# KiCad board CoquiKeyboard-snapshot-21-9-2021.kicad_pcb
title: Coqui Keyboard
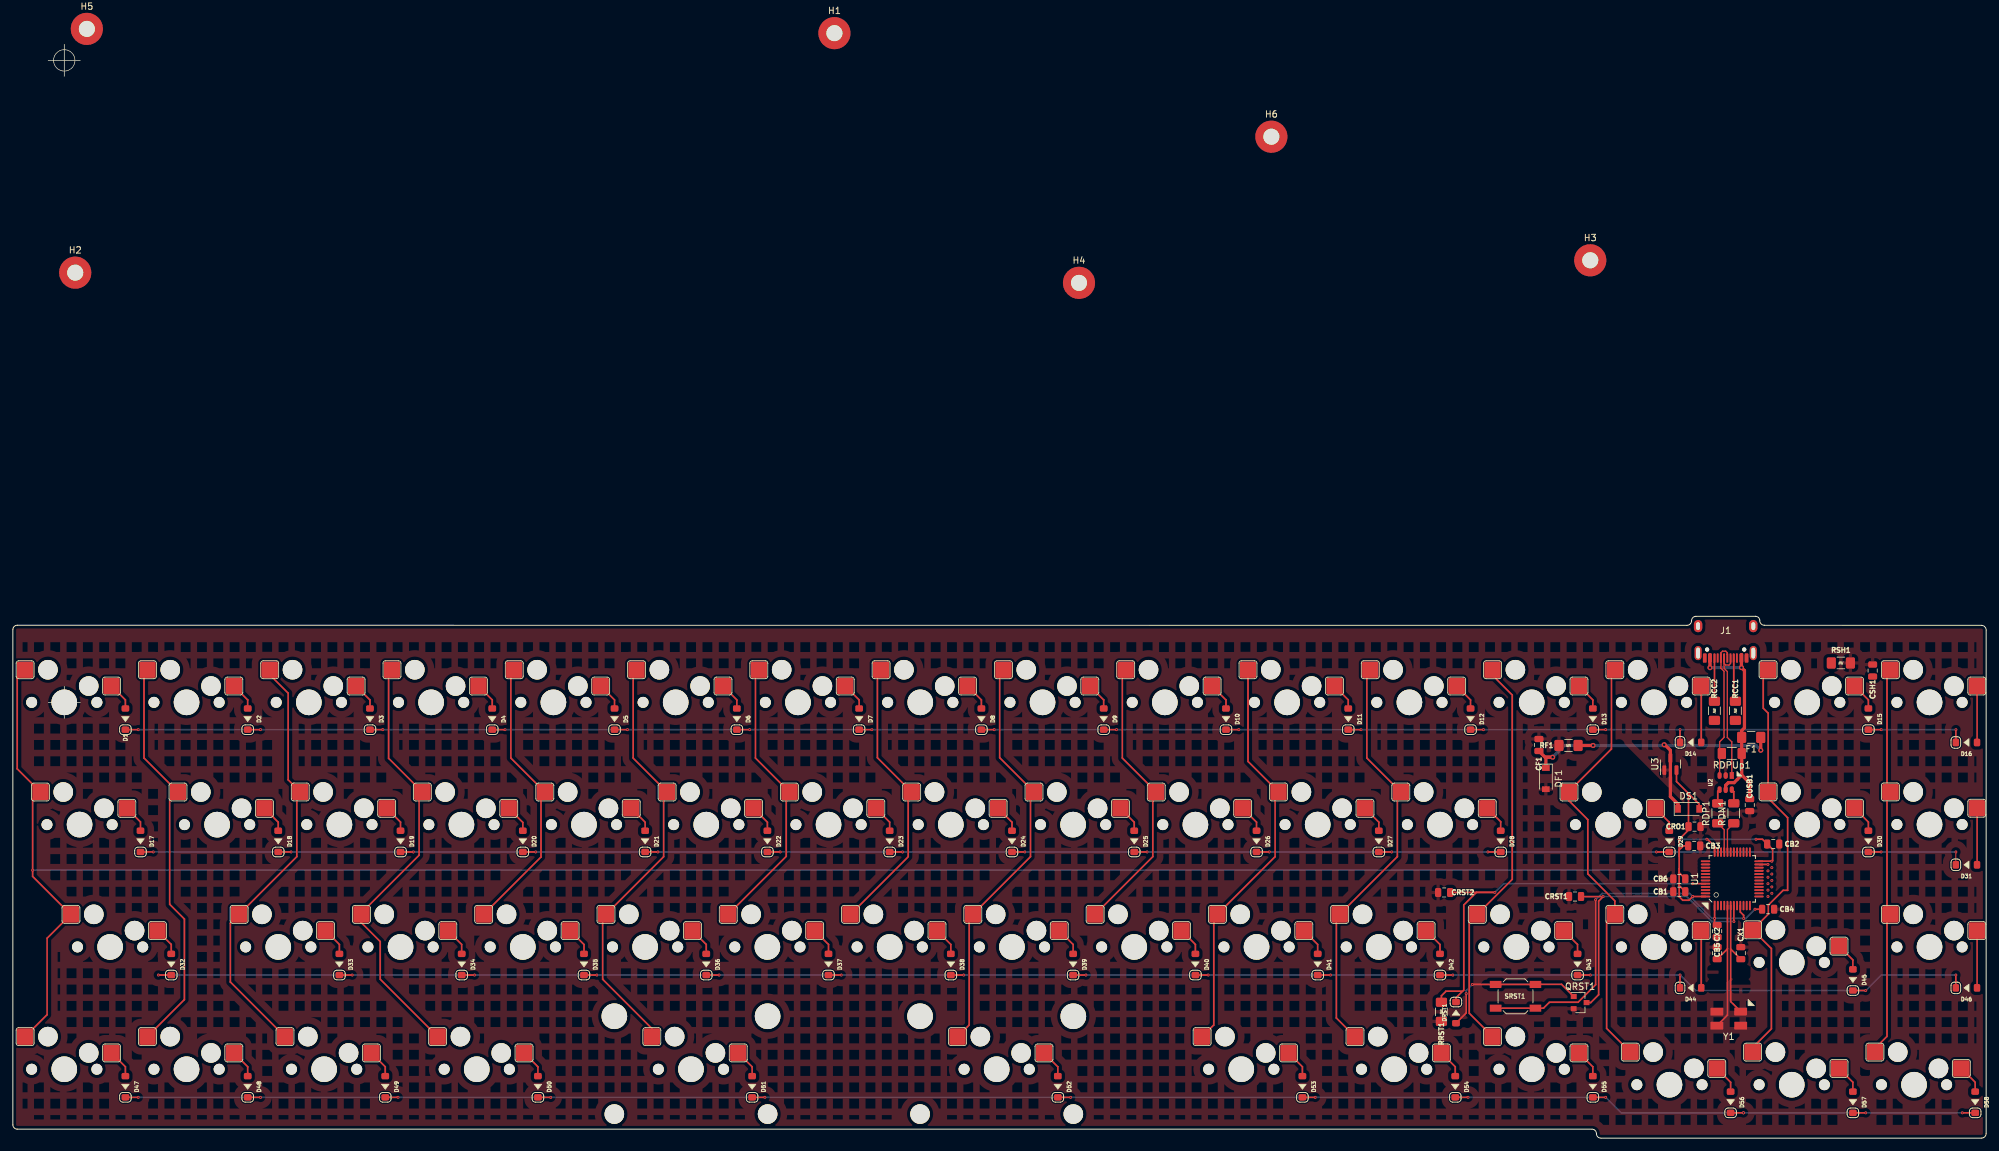
[diagram p0: board, top side]
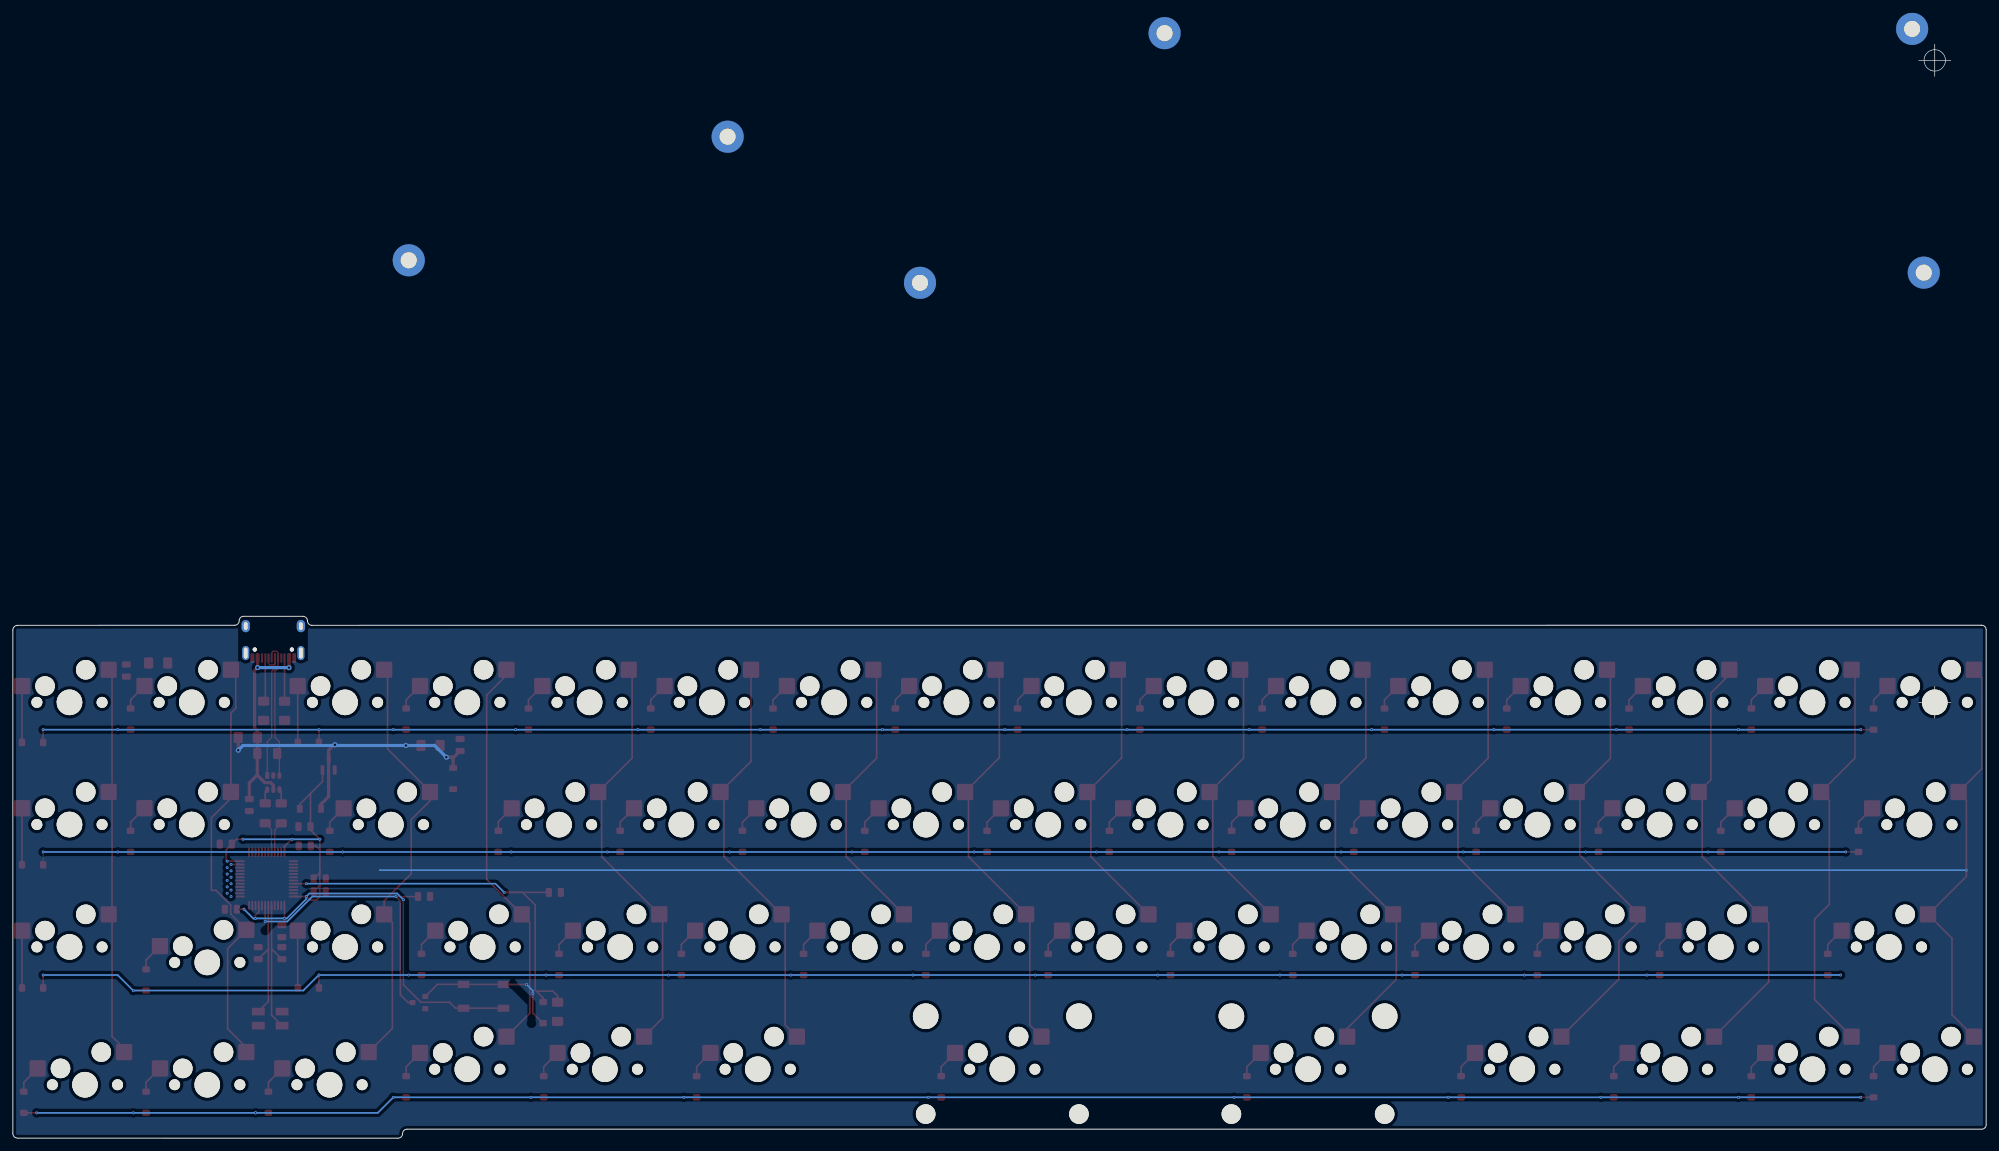
[diagram p1: board, bottom side, seen from below]

Outline 307.41 x 81.3 mm; copper layers: Top, Bottom. Coordinates in mm from the lower left corner of the outline.
Outline path: 271.45,81.3 arc(271.95,81.09) 272.15,80.6 arc(272.36,80.1) 272.85,79.9 306.66,79.88 arc(307.19,79.66) 307.41,79.14 307.41,0.75 arc(307.19,0.22) 306.66,0 247.4,0 arc(246.91,0.21) 246.7,0.7 arc(246.49,1.19) 246,1.4 0.7,1.4 arc(0.21,1.61) 0,2.1 0,79.2 arc(0.21,79.69) 0.7,79.9 260.81,79.89 arc(261.31,80.09) 261.51,80.59 arc(261.72,81.08) 262.21,81.29 271.45,81.29
Stack: Top 0.035mm / dielectric 1.51mm FR4 er 4.5 / Bottom 0.035mm

## Placement (name value [footprint] x y rotation side)
CB1  100n  [C_0805_2012Metric]  259.61 38.39 180 top
CB2  100n  [C_0805_2012Metric]  274.24 45.82 0 top
CB3  100n  [C_0805_2012Metric]  261.92 45.52 0 top
CB4  1u  [C_0805_2012Metric]  273.44 35.66 0 top
CB5  10n  [C_0805_2012Metric]  265.51 32.24 270 top
CB6  4.7u  [C_0805_2012Metric]  259.61 40.39 180 top
CF1  100n  [C_0805_2012Metric]  237.74 61.24 270 top
CRO1  100n  [C_0805_2012Metric]  261.98 48.53 180 top
CRST1  4.7n  [C_0805_2012Metric]  243.36 37.64 180 top
CRST2  10u  [C_0805_2012Metric]  222.97 38.27 0 top
CSH1  4.7n  [C_0805_2012Metric]  289.73 72.84 270 top
CUSB1  4.7n  [C_0805_2012Metric]  270.58 51.89 90 top
CX1  22p  [C_0805_2012Metric]  269.18 28.82 90 top
CX2  22p  [C_0805_2012Metric]  265.51 28.82 90 top
D1  1N4148  [D_SOD-123]  17.54 65.28 90 top
D2  1N4148  [D_SOD-123]  36.59 65.28 90 top
D3  1N4148  [D_SOD-123]  55.64 65.28 90 top
D4  1N4148  [D_SOD-123]  74.69 65.28 90 top
D5  1N4148  [D_SOD-123]  93.74 65.28 90 top
D6  1N4148  [D_SOD-123]  112.79 65.28 90 top
D7  1N4148  [D_SOD-123]  131.84 65.28 90 top
D8  1N4148  [D_SOD-123]  150.89 65.28 90 top
D9  1N4148  [D_SOD-123]  169.94 65.28 90 top
D10  1N4148  [D_SOD-123]  188.99 65.28 90 top
D11  1N4148  [D_SOD-123]  208.04 65.28 90 top
D12  1N4148  [D_SOD-123]  227.09 65.28 90 top
D13  1N4148  [D_SOD-123]  246.14 65.28 90 top
D14  1N4148  [D_SOD-123]  261.37 61.65 0 top
D15  1N4148  [D_SOD-123]  289.06 65.28 90 top
D16  1N4148  [D_SOD-123]  304.33 61.63 0 top
D17  1N4148  [D_SOD-123]  19.88 46.23 90 top
D18  1N4148  [D_SOD-123]  41.35 46.23 90 top
D19  1N4148  [D_SOD-123]  60.4 46.23 90 top
D20  1N4148  [D_SOD-123]  79.45 46.23 90 top
D21  1N4148  [D_SOD-123]  98.5 46.23 90 top
D22  1N4148  [D_SOD-123]  117.55 46.23 90 top
D23  1N4148  [D_SOD-123]  136.6 46.23 90 top
D24  1N4148  [D_SOD-123]  155.65 46.23 90 top
D25  1N4148  [D_SOD-123]  174.7 46.23 90 top
D26  1N4148  [D_SOD-123]  193.75 46.23 90 top
D27  1N4148  [D_SOD-123]  212.8 46.23 90 top
D28  1N4148  [D_SOD-123]  231.78 46.23 90 top
D29  1N4148  [D_SOD-123]  258.04 46.23 90 top
D30  1N4148  [D_SOD-123]  289.06 46.23 90 top
D31  1N4148  [D_SOD-123]  304.33 42.58 0 top
D32  1N4148  [D_SOD-123]  24.68 27.06 90 top
D33  1N4148  [D_SOD-123]  50.87 27.06 90 top
D34  1N4148  [D_SOD-123]  69.92 27.06 90 top
D35  1N4148  [D_SOD-123]  88.97 27.06 90 top
D36  1N4148  [D_SOD-123]  108.02 27.06 90 top
D37  1N4148  [D_SOD-123]  127.06 27.06 90 top
D38  1N4148  [D_SOD-123]  146.12 27.06 90 top
D39  1N4148  [D_SOD-123]  165.17 27.06 90 top
D40  1N4148  [D_SOD-123]  184.22 27.06 90 top
D41  1N4148  [D_SOD-123]  203.27 27.06 90 top
D42  1N4148  [D_SOD-123]  222.32 27.06 90 top
D43  1N4148  [D_SOD-123]  243.75 27.06 90 top
D44  1N4148  [D_SOD-123]  261.37 23.41 0 top
D45  1N4148  [D_SOD-123]  286.65 24.65 90 top
D46  1N4148  [D_SOD-123]  304.33 23.41 0 top
D47  1N4148  [D_SOD-123]  17.54 8.01 90 top
D48  1N4148  [D_SOD-123]  36.59 8.01 90 top
D49  1N4148  [D_SOD-123]  58.02 8.01 90 top
D50  1N4148  [D_SOD-123]  81.8 8.01 90 top
D51  1N4148  [D_SOD-123]  115.17 8.01 90 top
D52  1N4148  [D_SOD-123]  162.79 8.01 90 top
D53  1N4148  [D_SOD-123]  200.89 8.01 90 top
D54  1N4148  [D_SOD-123]  224.7 8.01 90 top
D55  1N4148  [D_SOD-123]  246.14 8.01 90 top
D56  1N4148  [D_SOD-123]  267.6 5.6 90 top
D57  1N4148  [D_SOD-123]  286.65 5.6 90 top
D58  1N4148  [D_SOD-123]  305.7 5.6 90 top
DF1  RB060M-60TR  [D_SOD-123#2]  238.82 56.01 270 top
DRST1  1N4148  [D_SOD-123]  224.81 19.56 270 top
DS1  1N4007  [D_SOD-123#2]  261.06 51.29 0 top
F1  1A trip polyfuse  [Fuse_1206_3216Metric_Pad1.42x1.75mm_HandSolder]  270.81 62.42 180 top
H1  MountingHole  [MountingHole_2.5mm_Pad]  127.99 172.13 0 top
H2  MountingHole  [MountingHole_2.5mm_Pad]  9.72 134.82 0 top
H3  MountingHole  [MountingHole_2.5mm_Pad]  245.73 136.74 0 top
H4  MountingHole  [MountingHole_2.5mm_Pad]  166.09 133.23 0 top
H5  MountingHole  [MountingHole_2.5mm_Pad]  11.53 172.79 0 top
H6  MountingHole  [MountingHole_2.5mm_Pad]  196.06 156 0 top
J1  TYPE-C-31-M12_13  [TYPE-C-31-M-12]  266.83 74.06 180 top
QRST1  DTC123J  [SOT-23#2]  244.15 21.12 0 top
RCC1  5.1k  [R_SMD_1206]  268.35 66.57 90 top
RCC2  5.1k  [R_SMD_1206]  265.08 66.57 90 top
RDN1  22R  [R_1206_3216Metric_Pad1.30x1.75mm_HandSolder]  268.09 50.61 90 top
RDP1  22R  [R_1206_3216Metric_Pad1.30x1.75mm_HandSolder]  265.6 50.6 90 top
RDPUp1  1.5k  [R_1206_3216Metric_Pad1.30x1.75mm_HandSolder]  267.78 59.92 180 top
RF1  100k  [R_SMD_1206]  242.35 61.17 180 top
RRST1  100k  [R_SMD_1206]  222.55 19.68 270 top
RSH1  1M  [R_SMD_1206]  284.78 74.02 0 top
SRST1  SW_Push  [K2-1187SQ-A4SW-06]  234.09 22.09 180 top
SW1  MXSwitch  [MX100H]  8.01 67.89 0 top
SW2  MXSwitch  [MX100H]  27.06 67.89 0 top
SW3  MXSwitch  [MX100H]  46.11 67.89 0 top
SW4  MXSwitch  [MX100H]  65.16 67.89 0 top
SW5  MXSwitch  [MX100H]  84.21 67.89 0 top
SW6  MXSwitch  [MX100H]  103.26 67.89 0 top
SW7  MXSwitch  [MX100H]  122.31 67.89 0 top
SW8  MXSwitch  [MX100H]  141.36 67.89 0 top
SW9  MXSwitch  [MX100H]  160.41 67.89 0 top
SW10  MXSwitch  [MX100H]  179.46 67.89 0 top
SW11  MXSwitch  [MX100H]  198.51 67.89 0 top
SW12  MXSwitch  [MX100H]  217.56 67.89 0 top
SW13  MXSwitch  [MX100H]  236.61 67.89 0 top
SW14  MXSwitch  [MX100H]  255.66 67.89 0 top
SW15  MXSwitch  [MX100H]  279.54 67.89 0 top
SW16  MXSwitch  [MX100H]  298.59 67.89 0 top
SW17  MXSwitch  [MX125H]  10.39 48.84 0 top
SW18  MXSwitch  [MX100H]  31.82 48.84 0 top
SW19  MXSwitch  [MX100H]  50.87 48.85 0 top
SW20  MXSwitch  [MX100H]  69.89 48.84 0 top
SW21  MXSwitch  [MX100H]  88.97 48.84 0 top
SW22  MXSwitch  [MX100H]  108.02 48.84 0 top
SW23  MXSwitch  [MX100H]  127.07 48.84 0 top
SW24  MXSwitch  [MX100H]  146.12 48.84 0 top
SW25  MXSwitch  [MX100H]  165.17 48.84 0 top
SW26  MXSwitch  [MX100H]  184.22 48.84 0 top
SW27  MXSwitch  [MX100H]  203.27 48.85 0 top
SW28  MXSwitch  [MX100H]  222.32 48.84 0 top
SW29  MXSwitch  [MX175H]  248.52 48.84 0 top
SW30  MXSwitch  [MX100H]  279.54 48.85 0 top
SW31  MXSwitch  [MX100H]  298.59 48.85 0 top
SW32  MXSwitch  [MX175H]  15.15 29.79 0 top
SW33  MXSwitch  [MX100H]  41.35 29.79 0 top
SW34  MXSwitch  [MX100H]  60.4 29.79 0 top
SW35  MXSwitch  [MX100H]  79.45 29.79 0 top
SW36  MXSwitch  [MX100H]  98.5 29.79 0 top
SW37  MXSwitch  [MX100H]  117.55 29.79 0 top
SW38  MXSwitch  [MX100H]  136.6 29.79 0 top
SW39  MXSwitch  [MX100H]  155.65 29.79 0 top
SW40  MXSwitch  [MX100H]  174.7 29.79 0 top
SW41  MXSwitch  [MX100H]  193.75 29.79 0 top
SW42  MXSwitch  [MX100H]  212.8 29.79 0 top
SW43  MXSwitch  [MX125H]  234.23 29.79 0 top
SW44  MXSwitch  [MX100H]  255.66 29.79 0 top
SW45  MXSwitch  [MX100H]  277.12 27.37 0 top
SW46  MXSwitch  [MX100H]  298.59 29.79 0 top
SW47  MXSwitch  [MX100H]  8.01 10.74 0 top
SW48  MXSwitch  [MX100H]  27.06 10.74 0 top
SW49  MXSwitch  [MX125H]  48.49 10.74 0 top
SW50  MXSwitch  [MX125H]  72.27 10.74 0 top
SW51  MXSwitch  [MX225HR]  105.64 10.74 0 top
SW52  MXSwitch  [MX275HR]  153.27 10.74 0 top
SW53  MXSwitch  [MX125H]  191.37 10.74 0 top
SW54  MXSwitch  [MX125H]  215.18 10.74 0 top
SW55  MXSwitch  [MX100H]  236.61 10.74 0 top
SW56  MXSwitch  [MX100H]  258.07 8.32 0 top
SW57  MXSwitch  [MX100H]  277.12 8.32 0 top
SW58  MXSwitch  [MX100H]  296.17 8.32 0 top
U1  STM32F303-LQFP48  [LQFP-48_7x7mm_P0.5mm]  267.86 40.39 90 top
U2  USBLC6-2SC6  [SOT-23-6]  266.83 55.39 270 top
U3  MCP1700-3302E_SOT23  [SOT-23]  258.22 58.27 90 top
Y1  8MHz  [Crystal_SMD_5032-4Pin_5.0x3.2mm]  267.32 18.62 180 top

## Library data of the parts
J1 = -: Manufacturer: Korean HRO
QRST1 = -: Manufacturer: ROHM Semicon
U1 = -: Manufacturer: STMicroelectronics; Package: LQFP-48

## Footprints (pads in the part's own frame, mm; a bottom-side part is the same pattern mirrored in y, then rotated)
C_0805_2012Metric
  rrect 0.975x1.4 smd: 1(-0.938,0) 2(0.938,0)
Crystal_SMD_5032-4Pin_5.0x3.2mm
  rrect 2x1.2 smd: 1(-1.85,-1.1) 2(1.85,-1.1) 3(1.85,1.1) 4(-1.85,1.1)
D_SOD-123
  rrect 1x1.2 smd: 1(-1.65,0) 2(1.65,0)
D_SOD-123#2
  rect 0.9x1.2 smd: 1(-1.65,0) 2(1.65,0)
Fuse_1206_3216Metric_Pad1.42x1.75mm_HandSolder
  rrect 1.425x1.75 smd: 1(-1.488,0) 2(1.488,0)
K2-1187SQ-A4SW-06
  rect 1.8x1.1 smd: 1(-3.1,1.85) 1(3.1,1.85) 2(-3.1,-1.85) 2(3.1,-1.85)
LQFP-48_7x7mm_P0.5mm
  rect 1.475x0.3 smd: 1(-4.162,2.75)
  rrect 1.475x0.3 smd: 2(-4.162,2.25) 3(-4.162,1.75) 4(-4.162,1.25) 5(-4.162,0.75) 6(-4.162,0.25) 7(-4.162,-0.25) 8(-4.162,-0.75) 9(-4.162,-1.25) 10(-4.162,-1.75) 11(-4.162,-2.25) 12(-4.162,-2.75) 25(4.162,-2.75) 26(4.162,-2.25) 27(4.162,-1.75) 28(4.162,-1.25) 29(4.162,-0.75) 30(4.162,-0.25) 31(4.162,0.25) 32(4.162,0.75) 33(4.162,1.25) 34(4.162,1.75) 35(4.162,2.25) 36(4.162,2.75)
  rrect 0.3x1.475 smd: 13(-2.75,-4.162) 14(-2.25,-4.162) 15(-1.75,-4.162) 16(-1.25,-4.162) 17(-0.75,-4.162) 18(-0.25,-4.162) 19(0.25,-4.162) 20(0.75,-4.162) 21(1.25,-4.162) 22(1.75,-4.162) 23(2.25,-4.162) 24(2.75,-4.162) 37(2.75,4.162) 38(2.25,4.162) 39(1.75,4.162) 40(1.25,4.162) 41(0.75,4.162) 42(0.25,4.162) 43(-0.25,4.162) 44(-0.75,4.162) 45(-1.25,4.162) 46(-1.75,4.162) 47(-2.25,4.162) 48(-2.75,4.162)
MountingHole_2.5mm_Pad
  round 5 hole 2.5: 1(0,0)
MX100H
  round 1.702 hole 1.702 unplated: (-5.08,0) (5.08,0)
  round 3.048 hole 3.048 unplated: (-2.54,5.08) (3.81,2.54)
  round 3.988 hole 3.988 unplated: (0,0)
  rrect 2.54x2.54 smd: 1(-6.096,5.08) 2(7.366,2.54)
MX125H
  round 1.702 hole 1.702 unplated: (-5.08,0) (5.08,0)
  round 3.048 hole 3.048 unplated: (-2.54,5.08) (3.81,2.54)
  round 3.988 hole 3.988 unplated: (0,0)
  rrect 2.54x2.54 smd: 1(-6.096,5.08) 2(7.366,2.54)
MX175H
  round 1.702 hole 1.702 unplated: (-5.08,0) (5.08,0)
  round 3.048 hole 3.048 unplated: (-2.54,5.08) (3.81,2.54)
  round 3.988 hole 3.988 unplated: (0,0)
  rrect 2.54x2.54 smd: 1(-6.096,5.08) 2(7.366,2.54)
MX225HR
  round 3.988 hole 3.988 unplated: (-11.938,8.255) (0,0) (11.938,8.255)
  round 3.048 hole 3.048 unplated: (-11.938,-6.985) (-2.54,5.08) (3.81,2.54) (11.938,-6.985)
  round 1.702 hole 1.702 unplated: (-5.08,0) (5.08,0)
  rrect 2.54x2.54 smd: 1(-6.096,5.08) 2(7.366,2.54)
MX275HR
  round 3.988 hole 3.988 unplated: (-11.938,8.255) (0,0) (11.938,8.255)
  round 3.048 hole 3.048 unplated: (-11.938,-6.985) (-2.54,5.08) (3.81,2.54) (11.938,-6.985)
  round 1.702 hole 1.702 unplated: (-5.08,0) (5.08,0)
  rrect 2.54x2.54 smd: 1(-6.096,5.08) 2(7.366,2.54)
R_1206_3216Metric_Pad1.30x1.75mm_HandSolder
  rrect 1.3x1.75 smd: 1(-1.55,0) 2(1.55,0)
R_SMD_1206
  rrect 1.425x1.75 smd: 1(-1.488,0) 2(1.488,0)
SOT-23
  rrect 1.475x0.6 smd: 1(-0.938,0.95) 2(-0.938,-0.95) 3(0.938,0)
SOT-23#2
  rect 0.9x0.8 smd: 1(-1,0.95) 2(-1,-0.95) 3(1,0)
SOT-23-6
  rect 1.06x0.65 smd: 1(-1.1,0.95)
  rrect 1.06x0.65 smd: 2(-1.1,0) 3(-1.1,-0.95) 4(1.1,-0.95) 5(1.1,0) 6(1.1,0.95)
TYPE-C-31-M-12
  round 0.65 hole 0.65 unplated: (-2.89,-2.051) (2.89,-2.051)
  rrect 0.6x1.45 smd: A1(-3.25,-1.275) A4(-2.45,-1.275) B1(3.25,-1.275) B4(2.45,-1.275)
  rrect 0.3x1.45 smd: A5(-1.25,-1.275) A6(-0.254,-1.275) A7(0.25,-1.275) A8(1.25,-1.275) B5(1.75,-1.275) B6(0.75,-1.275) B7(-0.75,-1.275) B8(-1.75,-1.275)
  oval 1.1x2.2 hole 0.6x1.7: S(-4.3,-1.5) S(4.3,-1.5)
  oval 1.3x1.9 hole 0.6x1.2: S(-4.3,-5.7) S(4.3,-5.7)

## Nets
+3V3: CB1.1 CB2.1 CB3.1 CB4.1 CB5.1 CB6.1 CRO1.2 DS1.2 SRST1.1 U1.1 U1.9 U1.24 U1.36 U1.48 U3.2
+5V: CF1.2 DF1.1 DS1.1 F1.1 RF1.1 U3.3
GND: CB1.2 CB2.2 CB3.2 CB4.2 CB5.2 CB6.2 CF1.1 CRO1.1 CRST1.2 CRST2.1 CSH1.1 CUSB1.1 CX1.2 CX2.2 DF1.2 H4.1 J1.A1 J1.B1 QRST1.2 RF1.2 RRST1.2 RSH1.2 U1.8 U1.23 U1.35 U1.47 U2.2 U3.1 Y1.2 Y1.4
GNDPWR: RCC1.1 RCC2.1
VBUS: CUSB1.2 F1.2 J1.A4 J1.B4 RDPUp1.1 U2.5
BOOT0: CRST2.2 DRST1.1 RRST1.1 U1.44
Col1: SW1.1 SW17.1 SW32.1 SW47.1
COL1: U1.22
Col2: SW2.1 SW18.1 SW48.1
COL2: U1.21
Col3: SW3.1 SW19.1 SW33.1 SW49.1
COL3: U1.20
Col4: SW4.1 SW20.1 SW34.1 SW50.1
COL4: U1.19
Col5: SW5.1 SW21.1 SW35.1
COL5: U1.18
Col6: SW6.1 SW22.1 SW36.1 SW51.1
COL6: U1.17
COL7: U1.16
Col7: SW7.1 SW23.1 SW37.1
COL8: U1.15
Col8: SW8.1 SW24.1 SW38.1
Col9: SW9.1 SW25.1 SW39.1 SW52.1
COL9: U1.14
Col10: SW10.1 SW26.1 SW40.1
COL10: U1.13
Col11: SW11.1 SW27.1 SW41.1 SW53.1
COL11: U1.12
Col12: SW12.1 SW28.1 SW42.1 SW54.1
COL12: U1.11
Col13: SW13.1 SW43.1 SW55.1
COL13: U1.10
Col14: SW14.1 SW29.1 SW44.1 SW56.1
Col15: SW15.1 SW30.1 SW45.1 SW57.1
COL15: U1.40
Col16: SW16.1 SW31.1 SW46.1 SW58.1
COL16: U1.41
D+: RDP1.1 U1.33
D-: RDN1.1 U1.32
DBus+: J1.A6 J1.B6 RDPUp1.2 U2.3
DBus-: J1.A7 J1.B7 U2.1
NRST: CRST1.1 QRST1.3 U1.7
Row1: D1.1 D2.1 D3.1 D4.1 D5.1 D6.1 D7.1 D8.1 D9.1 D10.1 D11.1 D12.1 D13.1 D14.1 D15.1 D16.1
ROW1: U1.38
Row2: D17.1 D18.1 D19.1 D20.1 D21.1 D22.1 D23.1 D24.1 D25.1 D26.1 D27.1 D28.1 D29.1 D30.1 D31.1
ROW2: U1.39
Row3: D32.1 D33.1 D34.1 D35.1 D36.1 D37.1 D38.1 D39.1 D40.1 D41.1 D42.1 D43.1 D44.1 D45.1 D46.1
ROW3: U1.42
Row4: D47.1 D48.1 D49.1 D50.1 D51.1 D52.1 D53.1 D54.1 D55.1 D56.1 D57.1 D58.1
ROW4: U1.43
SCL: U1.30
SDA: U1.31
SWCLK: U1.37
SWDIO: U1.34
XTAL1: CX2.1 U1.5 Y1.3
XTAL2: CX1.1 U1.6 Y1.1
Net-(CSH1-Pad2): CSH1.2 J1.S RSH1.1
Net-(D1-Pad2): D1.2 SW1.2
Net-(D2-Pad2): D2.2 SW2.2
Net-(D3-Pad2): D3.2 SW3.2
Net-(D4-Pad2): D4.2 SW4.2
Net-(D5-Pad2): D5.2 SW5.2
Net-(D6-Pad2): D6.2 SW6.2
Net-(D7-Pad2): D7.2 SW7.2
Net-(D8-Pad2): D8.2 SW8.2
Net-(D9-Pad2): D9.2 SW9.2
Net-(D10-Pad2): D10.2 SW10.2
Net-(D11-Pad2): D11.2 SW11.2
Net-(D12-Pad2): D12.2 SW12.2
Net-(D13-Pad2): D13.2 SW13.2
Net-(D14-Pad2): D14.2 SW14.2
Net-(D15-Pad2): D15.2 SW15.2
Net-(D16-Pad2): D16.2 SW16.2
Net-(D17-Pad2): D17.2 SW17.2
Net-(D18-Pad2): D18.2 SW18.2
Net-(D19-Pad2): D19.2 SW19.2
Net-(D20-Pad2): D20.2 SW20.2
Net-(D21-Pad2): D21.2 SW21.2
Net-(D22-Pad2): D22.2 SW22.2
Net-(D23-Pad2): D23.2 SW23.2
Net-(D24-Pad2): D24.2 SW24.2
Net-(D25-Pad2): D25.2 SW25.2
Net-(D26-Pad2): D26.2 SW26.2
Net-(D27-Pad2): D27.2 SW27.2
Net-(D28-Pad2): D28.2 SW28.2
Net-(D29-Pad2): D29.2 SW29.2
Net-(D30-Pad2): D30.2 SW30.2
Net-(D31-Pad2): D31.2 SW31.2
Net-(D32-Pad2): D32.2 SW32.2
Net-(D33-Pad2): D33.2 SW33.2
Net-(D34-Pad2): D34.2 SW34.2
Net-(D35-Pad2): D35.2 SW35.2
Net-(D36-Pad2): D36.2 SW36.2
Net-(D37-Pad2): D37.2 SW37.2
Net-(D38-Pad2): D38.2 SW38.2
Net-(D39-Pad2): D39.2 SW39.2
Net-(D40-Pad2): D40.2 SW40.2
Net-(D41-Pad2): D41.2 SW41.2
Net-(D42-Pad2): D42.2 SW42.2
Net-(D43-Pad2): D43.2 SW43.2
Net-(D44-Pad2): D44.2 SW44.2
Net-(D45-Pad2): D45.2 SW45.2
Net-(D46-Pad2): D46.2 SW46.2
Net-(D47-Pad2): D47.2 SW47.2
Net-(D48-Pad2): D48.2 SW48.2
Net-(D49-Pad2): D49.2 SW49.2
Net-(D50-Pad2): D50.2 SW50.2
Net-(D51-Pad2): D51.2 SW51.2
Net-(D52-Pad2): D52.2 SW52.2
Net-(D53-Pad2): D53.2 SW53.2
Net-(D54-Pad2): D54.2 SW54.2
Net-(D55-Pad2): D55.2 SW55.2
Net-(D56-Pad2): D56.2 SW56.2
Net-(D57-Pad2): D57.2 SW57.2
Net-(D58-Pad2): D58.2 SW58.2
Net-(DRST1-Pad2): DRST1.2 QRST1.1 SRST1.2
Net-(J1-PadA5): J1.A5 RCC1.2
Net-(J1-PadB5): J1.B5 RCC2.2
Net-(RDN1-Pad2): RDN1.2 U2.6
Net-(RDP1-Pad2): RDP1.2 U2.4

Pads without a net: H1 1; H2 1; H3 1; H5 1; H6 1; J1 A8 B8; U1 2 3 4 25 26 27 28 29 45 46

## Via types
v1: diameter 0.45, hole 0.2, Top to Bottom, 86 vias
v2: diameter 0.8, hole 0.4, Top to Bottom, 6 vias

## Routing (per net, layer and track width the routed paths; a pad name or vN(x,y) marks a point on that pad's centre or on a via; arc(x,y) is an arc through that point)
+3V3: length 121.3
  Top w0.254: CB5.1 265.1,33.59 v1(265.1,34.23) 265.11,34.24 U1.1 ; 261.04,53.69 262.71,52.02 DS1.2 ; 261.04,53.69 259.17,55.55 U3.2 ; 261.04,53.69 261.04,48.54 CRO1.2 ; CRO1.2 261.13,48.53 ; CRO1.2 261.04,48.01 v1(259.58,46.55) 259.59,46.54 259.59,43.94 ; 259.59,43.94 259.59,44.9 260.21,45.52 CB3.1 ; 259.59,43.94 259.59,41.99 ; 259.59,39.62 259.59,39.34 CB1.1 ; 259.59,39.62 259.59,37.61 260.14,37.06 261.11,37.06 v1(261.69,37.64) U1.48 ; 259.59,39.62 259.59,41.99 ; v1(246.57,37.15) 246.57,23.9 243.84,21.17 239.37,21.17 238.44,20.24 SRST1.1 SRST1.1 ; v1(263.9,46.56) 264,46.56 265.11,45.45 U1.36 ; 259.59,41.99 259.59,41.34 CB6.1 ; U1.24 v1(274.02,43.14) 274.15,43.27 274.15,44.97 CB2.1 272.56,46.56 v1(271.56,46.56) ; v1(269.63,34.22) 269.63,34.71 269.11,35.24 U1.9 ; v1(271.4,35.66) CB4.1
  Bottom w0.254: v1(259.58,46.55) 259.58,46.55 271.55,46.55 v1(271.56,46.56) ; v1(271.4,35.66) 269.96,34.22 v1(269.63,34.22) 269.62,34.23 264.71,34.23 261.69,37.25 v1(261.69,37.64) 261.22,38.11 247.54,38.11 246.58,37.15 v1(246.57,37.15)
+5V: length 53.9
  Top w0.5: DF1.1 238.82,59.34 v2(239.88,59.34) 238.7,59.34 CF1.2 ; RF1.1 246.18,61.17 v2(246.18,61.17) ; v2(272.29,60.42) F1.1 272.31,62.41 ; v2(257.24,61.28) 257.35,61.28 258.22,60.41 U3.3 258.22,53.2 259.41,52.01 DS1.1
  Bottom w0.5: 246.18,61.17 241.7,61.17 v2(239.88,59.34) 239.88,59.34 ; 246.34,61.16 271.56,61.16 v2(272.29,60.42)
GND: length 1.4
  Top w0.254: U1.23 v1(273.42,42.64)
VBUS: length 34.2
  Top w0.5: CUSB1.2 270.58,55.32 269.33,56.57 ; v2(264.39,73.29) 264.38,73.29 264.38,75.33 ; 269.33,56.57 269.33,59.37 269.32,59.38 269.32,63.47 269.76,63.91 269.76,72.83 v2(269.29,73.3) 269.28,73.3 269.28,75.33 ; 269.33,56.57 268.14,55.37 267.24,55.37 266.83,54.97 U2.5
  Bottom w0.5: v2(264.39,73.29) 264.4,73.3 v2(269.29,73.3)
(no net):
  vias: v1(273.42,41.64) v1(273.42,40.64) v1(273.42,39.64) v1(273.42,38.64) v1(273.42,37.64) v1(274.02,42.14) v1(274.02,41.14) v1(274.02,40.14) v1(274.02,39.14) v1(274.02,38.14)
BOOT0: length 66.2
  Top w0.254: 225.85,22.89 223.27,22.89 222.55,22.17 RRST1.1 ; CRST2.2 223.92,38.28 v1(230.87,38.28) 227.99,38.28 226.03,36.32 226.03,23.07 224.81,21.85 224.81,21.2 ; v1(261.69,39.64) U1.44
  Bottom w0.254: v1(261.69,39.64) 232.23,39.64 v1(230.87,38.28)
Col1: length 312.3
  Top w0.254: SW47.1 5.33,19.24 5.33,31.14 SW32.1 8.99,34.87 3.08,40.77 3.08,52.7 SW17.1 0.68,57.53 0.68,71.74 SW1.1
  Bottom w0.254: 250.23,41.74 250.23,41.75 v1(3.08,41.75)
Col2: length 63.4
  Top w0.254: SW48.1 26.73,21.58 26.73,34.13 24.43,36.42 24.43,52.62 SW18.1 20.43,59.21 20.43,72.44 SW2.1
Col3: length 67.2
  Top w0.254: SW49.1 33.88,24.33 33.88,33.5 SW33.1 44.23,43.85 44.23,53.38 SW19.1 42.88,55.82 42.88,69.32 40.01,72.19 SW3.1
Col4: length 68.4
  Top w0.254: SW50.1 57.23,24.76 57.23,30.62 54.3,33.56 SW34.1 54.3,35.09 63.28,44.07 63.28,53.41 SW20.1 58.53,59.17 58.53,72.44 SW4.1
Col5: length 44.5
  Top w0.254: SW5.1 77.58,72.44 77.58,59.21 SW21.1 82.28,53.32 82.28,43.8 SW35.1
Col6: length 66.9
  Top w0.254: SW51.1 99.55,17.09 91.88,24.75 91.88,34.35 SW36.1 101.38,43.85 101.38,53.37 SW22.1 96.63,59.21 96.63,72.44 SW6.1
Col7: length 44.5
  Top w0.254: SW7.1 115.68,72.44 115.68,59.21 SW23.1 120.48,53.42 120.48,43.9 SW37.1
Col8: length 44.5
  Top w0.254: SW38.1 139.48,43.85 139.48,53.37 SW24.1 134.68,59.26 134.68,72.39 SW8.1
Col9: length 64.5
  Top w0.254: SW9.1 153.73,72.39 153.73,59.26 SW25.1 158.53,53.37 158.53,43.85 SW39.1 148.98,34.3 148.98,17.63 SW52.1
Col10: length 44.5
  Top w0.254: SW40.1 177.58,43.85 177.58,53.37 SW26.1 172.83,59.21 172.83,72.44 SW10.1
Col11: length 64.1
  Top w0.254: SW53.1 187.08,17.63 187.08,34.3 SW41.1 196.63,43.85 196.63,53.38 SW27.1 192.41,58.69 SW11.1
Col12: length 64.9
  Top w0.254: SW12.1 210.93,72.44 210.93,59.21 SW28.1 215.68,53.37 215.68,43.85 SW42.1 206.18,34.35 206.18,18.71 SW54.1
Col13: length 62.7
  Top w0.254: SW13.1 230.51,72.09 233.58,69.02 233.58,40.32 SW43.1 226.88,33.62 226.88,19.45 SW55.1
Col14: length 67.5
  Top w0.254: SW14.1 249.03,72.44 249.03,60.62 242.42,54.01 SW29.1 242.42,52.54 245.35,49.61 245.35,41.18 249.56,36.97 SW44.1 248.28,33.59 248.28,17.1 SW56.1
Col15: length 66.7
  Top w0.254: 273.44,72.98 273.53,73.07 ; 273.44,72.98 272.68,72.22 272.68,66.97 273.44,66.22 SW30.1 273.44,52.95 276.48,49.91 276.48,38.61 275.78,38.61 273.47,36.3 273.47,34.9 SW45.1 273.95,29.53 273.95,17.04 271.03,14.11 SW57.1 ; 273.44,72.98 SW15.1
Col16: length 61.5
  Top w0.254: SW58.1 290.08,13.97 291.95,15.85 291.95,34.33 SW46.1 291.95,35.4 291.95,53.4 SW31.1 291.95,54.47 291.95,72.43 SW16.1
D+: length 4.9
  Top w0.2: RDP1.1 266.61,48.04 U1.33
D-: length 4.9
  Top w0.2: RDN1.1 267.11,48.08 U1.32
DBus+: length 21.1
  Top w0.2: 265.88,60.47 265.88,61.74 266.58,62.44 266.58,72.72 266.08,73.22 266.08,75.61 266.33,75.85 266.84,75.85 267.08,75.61 267.08,75.33 ; 265.88,56.5 265.88,60.48
DBus-: length 23.3
  Top w0.2: U2.1 267.78,61.73 267.08,62.42 267.08,72.68 266.58,73.18 266.58,75.33 266.58,73.95 266.83,73.7 267.35,73.7 267.59,73.94 267.59,75.33
NRST: length 45.9
  Top w0.254: U1.7 268.11,33.75 v1(268.11,33.75) ; QRST1.3 245.82,21.12 247.04,22.34 247.04,36.93 v1(247.74,37.63) 244.31,37.63 CRST1.1
  Bottom w0.254: v1(268.11,33.75) 264.65,33.75 261.12,37.28 261.12,37.29 260.77,37.64 247.75,37.64 v1(247.74,37.63)
Row1: length 315.2
  Top w0.254: v1(210.04,63.63) D11.1 ; v1(229.09,63.63) D12.1 ; v1(57.64,63.63) D3.1 ; v1(152.89,63.63) D8.1 ; v1(19.54,63.63) D1.1 ; v1(171.94,63.63) D9.1 ; v1(190.99,63.63) D10.1 ; v1(302.69,63.63) 302.69,61.64 D16.1 ; v1(76.69,63.63) D4.1 ; v1(291.06,63.63) D15.1 ; v1(248.14,63.63) D13.1 ; v1(114.79,63.63) D6.1 ; v1(95.74,63.63) D5.1 ; v1(259.72,63.63) 259.71,63.62 259.71,61.66 D14.1 ; v1(133.84,63.63) D7.1 ; v1(38.59,63.63) D2.1
  Bottom w0.254: v1(19.54,63.63) v1(38.59,63.63) v1(57.64,63.63) v1(76.69,63.63) v1(95.74,63.63) v1(114.79,63.63) v1(133.84,63.63) v1(152.89,63.63) v1(171.94,63.63) v1(190.99,63.63) v1(210.04,63.63) v1(229.09,63.63) v1(248.14,63.63) 291.06,63.63 v1(291.06,63.63) v1(302.69,63.63)
Row2: length 310.8
  Top w0.13: v1(302.68,44.58) D31.1
  Top w0.254: D28.1 v1(229.78,44.58) ; D25.1 v1(176.7,44.58) ; D26.1 v1(195.75,44.58) ; v1(291.06,44.58) D30.1 ; D20.1 v1(81.45,44.58) ; D19.1 v1(62.4,44.58) ; D18.1 v1(43.35,44.58) ; v1(256.04,44.58) D29.1 ; D17.1 v1(21.88,44.58) ; D24.1 v1(157.65,44.58) ; D23.1 v1(138.6,44.58) ; D22.1 v1(119.55,44.58) ; D21.1 v1(100.5,44.58) ; D27.1 v1(214.8,44.58)
  Bottom w0.254: v1(21.88,44.58) 43.34,44.58 v1(43.35,44.58) v1(62.4,44.58) v1(81.45,44.58) v1(100.5,44.58) 119.54,44.58 v1(119.55,44.58) 138.59,44.58 v1(138.6,44.58) v1(157.65,44.58) v1(176.7,44.58) v1(195.75,44.58) v1(214.8,44.58) v1(256.04,44.58) v1(291.06,44.58) v1(302.68,44.58)
Row3: length 312
  Top w0.254: v1(52.87,25.41) D33.1 ; 24.68,25.41 22.68,25.41 ; v1(167.17,25.41) D39.1 ; v1(148.12,25.41) D38.1 ; v1(186.22,25.41) D40.1 ; v1(224.32,25.41) D42.1 ; v1(129.06,25.41) D37.1 ; v1(71.92,25.41) D34.1 ; v1(110.02,25.41) D36.1 ; v1(90.97,25.41) D35.1 ; v1(205.27,25.41) D41.1 ; v1(288.65,23) D45.1 ; v1(245.75,25.41) D43.1 ; D46.1 v1(302.68,25.41) ; v1(259.72,25.41) D44.1
  Bottom w0.254: v1(302.68,25.41) 291.08,25.41 288.67,23 v1(288.65,23) 262.15,23 259.74,25.41 v1(245.75,25.41) v1(224.32,25.41) v1(205.27,25.41) v1(186.22,25.41) v1(167.17,25.41) v1(148.12,25.41) v1(129.06,25.41) v1(110.02,25.41) v1(90.97,25.41) v1(71.92,25.41) v1(52.87,25.41) v1(22.68,25.41)
Row4: length 309.2
  Top w0.254: v1(303.7,3.95) D58.1 ; v1(248.14,6.36) D55.1 ; v1(269.6,3.95) D56.1 ; v1(83.8,6.36) D50.1 ; v1(202.89,6.36) D53.1 ; D47.1 v1(19.54,6.36) ; v1(288.65,3.95) D57.1 ; v1(226.7,6.36) D54.1 ; v1(60.02,6.36) D49.1 ; v1(164.79,6.36) D52.1 ; D48.1 v1(38.59,6.36) ; v1(117.17,6.36) D51.1
  Bottom w0.254: 38.5,6.36 38.49,6.36 ; v1(19.54,6.36) v1(248.14,6.36) 250.55,3.95 v1(269.6,3.95) v1(288.65,3.95) v1(303.7,3.95) ; 60.11,6.36 60.12,6.36
XTAL1: length 21.6
  Top w0.254: CX2.1 267.11,29.48 ; 267.11,29.48 267.11,19.16 Y1.3 ; 267.11,29.48 U1.5
XTAL2: length 19.4
  Top w0.254: 267.61,29.46 267.61,21.28 Y1.1 ; 267.61,29.46 U1.6 ; 267.61,29.46 CX1.1
Net-(D1-Pad2): length 4.4
  Top w0.254: SW1.2 17.54,68.27 D1.2
Net-(D2-Pad2): length 4.4
  Top w0.254: SW2.2 36.59,68.27 D2.2
Net-(D3-Pad2): length 4.4
  Top w0.254: D3.2 55.64,68.27 SW3.2
Net-(D4-Pad2): length 4.4
  Top w0.254: SW4.2 74.69,68.27 D4.2
Net-(D5-Pad2): length 4.4
  Top w0.254: SW5.2 93.74,68.27 D5.2
Net-(D6-Pad2): length 4.4
  Top w0.254: SW6.2 112.79,68.27 D6.2
Net-(D7-Pad2): length 4.4
  Top w0.254: D7.2 131.84,68.27 SW7.2
Net-(D8-Pad2): length 4.4
  Top w0.254: SW8.2 150.89,68.27 D8.2
Net-(D9-Pad2): length 4.4
  Top w0.254: SW9.2 169.94,68.27 D9.2
Net-(D10-Pad2): length 4.4
  Top w0.254: SW10.2 188.99,68.27 D10.2
Net-(D11-Pad2): length 4.4
  Top w0.254: D11.2 208.04,68.27 SW11.2
Net-(D12-Pad2): length 4.4
  Top w0.254: D12.2 227.09,68.27 SW12.2
Net-(D13-Pad2): length 4.4
  Top w0.254: SW13.2 246.14,68.27 D13.2
Net-(D14-Pad2): length 8.8
  Top w0.254: D14.2 263.03,61.66 263.03,70.42 SW14.2
Net-(D15-Pad2): length 4.4
  Top w0.254: SW15.2 289.06,68.27 D15.2
Net-(D16-Pad2): length 8.9
  Top w0.254: 306,70.56 306,61.65 D16.2
Net-(D17-Pad2): length 4.4
  Top w0.254: SW17.2 19.88,49.25 D17.2
Net-(D18-Pad2): length 4.4
  Top w0.254: D18.2 41.35,49.22 SW18.2
Net-(D19-Pad2): length 4.4
  Top w0.254: D19.2 60.4,49.23 SW19.2
Net-(D20-Pad2): length 4.4
  Top w0.254: SW20.2 79.45,49.18 D20.2
Net-(D21-Pad2): length 4.4
  Top w0.254: SW21.2 98.5,49.22 D21.2
Net-(D22-Pad2): length 4.4
  Top w0.254: D22.2 117.55,49.22 SW22.2
Net-(D23-Pad2): length 4.4
  Top w0.254: D23.2 136.6,49.22 SW23.2
Net-(D24-Pad2): length 4.4
  Top w0.254: D24.2 155.65,49.22 SW24.2
Net-(D25-Pad2): length 4.4
  Top w0.254: SW25.2 174.7,49.22 D25.2
Net-(D26-Pad2): length 4.4
  Top w0.254: D26.2 193.75,49.22 SW26.2
Net-(D27-Pad2): length 4.4
  Top w0.254: SW27.2 212.8,49.23 D27.2
Net-(D28-Pad2): length 4.4
  Top w0.254: D28.2 231.78,49.28 SW28.2
Net-(D29-Pad2): length 4.4
  Top w0.254: SW29.2 258.04,49.22 D29.2
Net-(D30-Pad2): length 4.5
  Top w0.254: 289.06,47.78 289.06,49.24 SW30.2
Net-(D31-Pad2): length 9
  Top w0.254: D31.2 306,42.59 306,51.56
Net-(D32-Pad2): length 4.5
  Top w0.254: SW32.2 24.68,30.17 D32.2
Net-(D33-Pad2): length 4.5
  Top w0.254: SW33.2 50.87,30.17 D33.2
Net-(D34-Pad2): length 4.5
  Top w0.254: D34.2 69.92,30.17 SW34.2
Net-(D35-Pad2): length 4.5
  Top w0.254: SW35.2 88.97,30.17 D35.2
Net-(D36-Pad2): length 4.5
  Top w0.254: SW36.2 108.02,30.17 D36.2
Net-(D37-Pad2): length 4.5
  Top w0.254: SW37.2 127.07,30.17 127.07,28.7
Net-(D38-Pad2): length 4.5
  Top w0.254: SW38.2 146.12,30.17 D38.2
Net-(D39-Pad2): length 4.5
  Top w0.254: D39.2 165.17,30.17 SW39.2
Net-(D40-Pad2): length 4.5
  Top w0.254: SW40.2 184.22,30.17 D40.2
Net-(D41-Pad2): length 4.5
  Top w0.254: SW41.2 203.27,30.17 D41.2
Net-(D42-Pad2): length 4.5
  Top w0.254: SW42.2 222.32,30.17 D42.2
Net-(D43-Pad2): length 4.5
  Top w0.254: SW43.2 243.75,30.17 D43.2
Net-(D44-Pad2): length 8.9
  Top w0.254: D44.2 263.03,23.42 263.03,32.32 SW44.2
Net-(D45-Pad2): length 4.5
  Top w0.254: D45.2 286.65,27.75 SW45.2
Net-(D46-Pad2): length 8.9
  Top w0.254: D46.2 306,23.42 306,32.31
Net-(D47-Pad2): length 4.5
  Top w0.254: SW47.2 17.54,11.12 D47.2
Net-(D48-Pad2): length 4.5
  Top w0.254: D48.2 36.59,11.12 SW48.2
Net-(D49-Pad2): length 4.5
  Top w0.254: SW49.2 58.02,11.12 D49.2
Net-(D50-Pad2): length 4.5
  Top w0.254: D50.2 81.8,11.12 SW50.2
Net-(D51-Pad2): length 4.5
  Top w0.254: SW51.2 115.17,11.12 D51.2
Net-(D52-Pad2): length 4.5
  Top w0.254: D52.2 162.79,11.12 SW52.2
Net-(D53-Pad2): length 4.5
  Top w0.254: SW53.2 200.89,11.12 D53.2
Net-(D54-Pad2): length 4.5
  Top w0.254: D54.2 224.7,11.12 SW54.2
Net-(D55-Pad2): length 4.5
  Top w0.254: D55.2 246.14,11.12 SW55.2
Net-(D56-Pad2): length 4.5
  Top w0.254: D56.2 267.6,8.7 SW56.2
Net-(D57-Pad2): length 4.5
  Top w0.254: D57.2 286.65,8.7 SW57.2
Net-(D58-Pad2): length 4.5
  Top w0.254: SW58.2 305.7,8.7 D58.2
Net-(DRST1-Pad2): length 23.7
  Top w0.254: DRST1.2 226.4,19.5 v1(226.4,22.52) ; v1(227.37,23.93) 227.38,23.94 SRST1.2 SRST1.2 237.2,23.96 241.26,23.96 QRST1.1
  Bottom w0.254: v1(227.37,23.93) 227.36,23.93 226.4,22.97 v1(226.4,22.52)
Net-(J1-PadA5): length 7.4
  Top w0.254: RCC1.2 268.08,68.32 268.08,75.33
Net-(J1-PadB5): length 7.3
  Top w0.254: RCC2.2 265.08,68.06 265.08,75.33
Net-(RDN1-Pad2): length 2.3
  Top w0.254: U2.6 268.09,53.98 RDN1.2
Net-(RDP1-Pad2): length 2.3
  Top w0.254: U2.4 265.6,54.01 RDP1.2

## Copper pours and planes (outline as drawn; the poured copper is in the pictures)
+5V on Bottom: 261.46,74.31 272.32,74.31 272.3,80.03 307.41,80.03 307.56,-0.15 -0.21,0.15 -0.06,80.18 261.45,80.03
GND on Top: 307.56,-0.15 -0.21,0.15 -0.06,80.18 307.41,80.03
GND on Top: 272.17,74.45 261.61,74.45 261.61,85.02 272.17,85.02
